# Altium PCB Cabinet_Device.PcbDoc (part 6 of 6)
Units mil, origin at the board's own origin, x right, y up, seen from the top; angles counter-clockwise.
Board outline 9999.43 x 4132.85 mil, 4 copper layers (Top Layer, Ground, Internal Plane 1, Bottom Layer), stack 30.634 mil thick; 517 components, 341 nets, 1478 pads, 1628 vias.
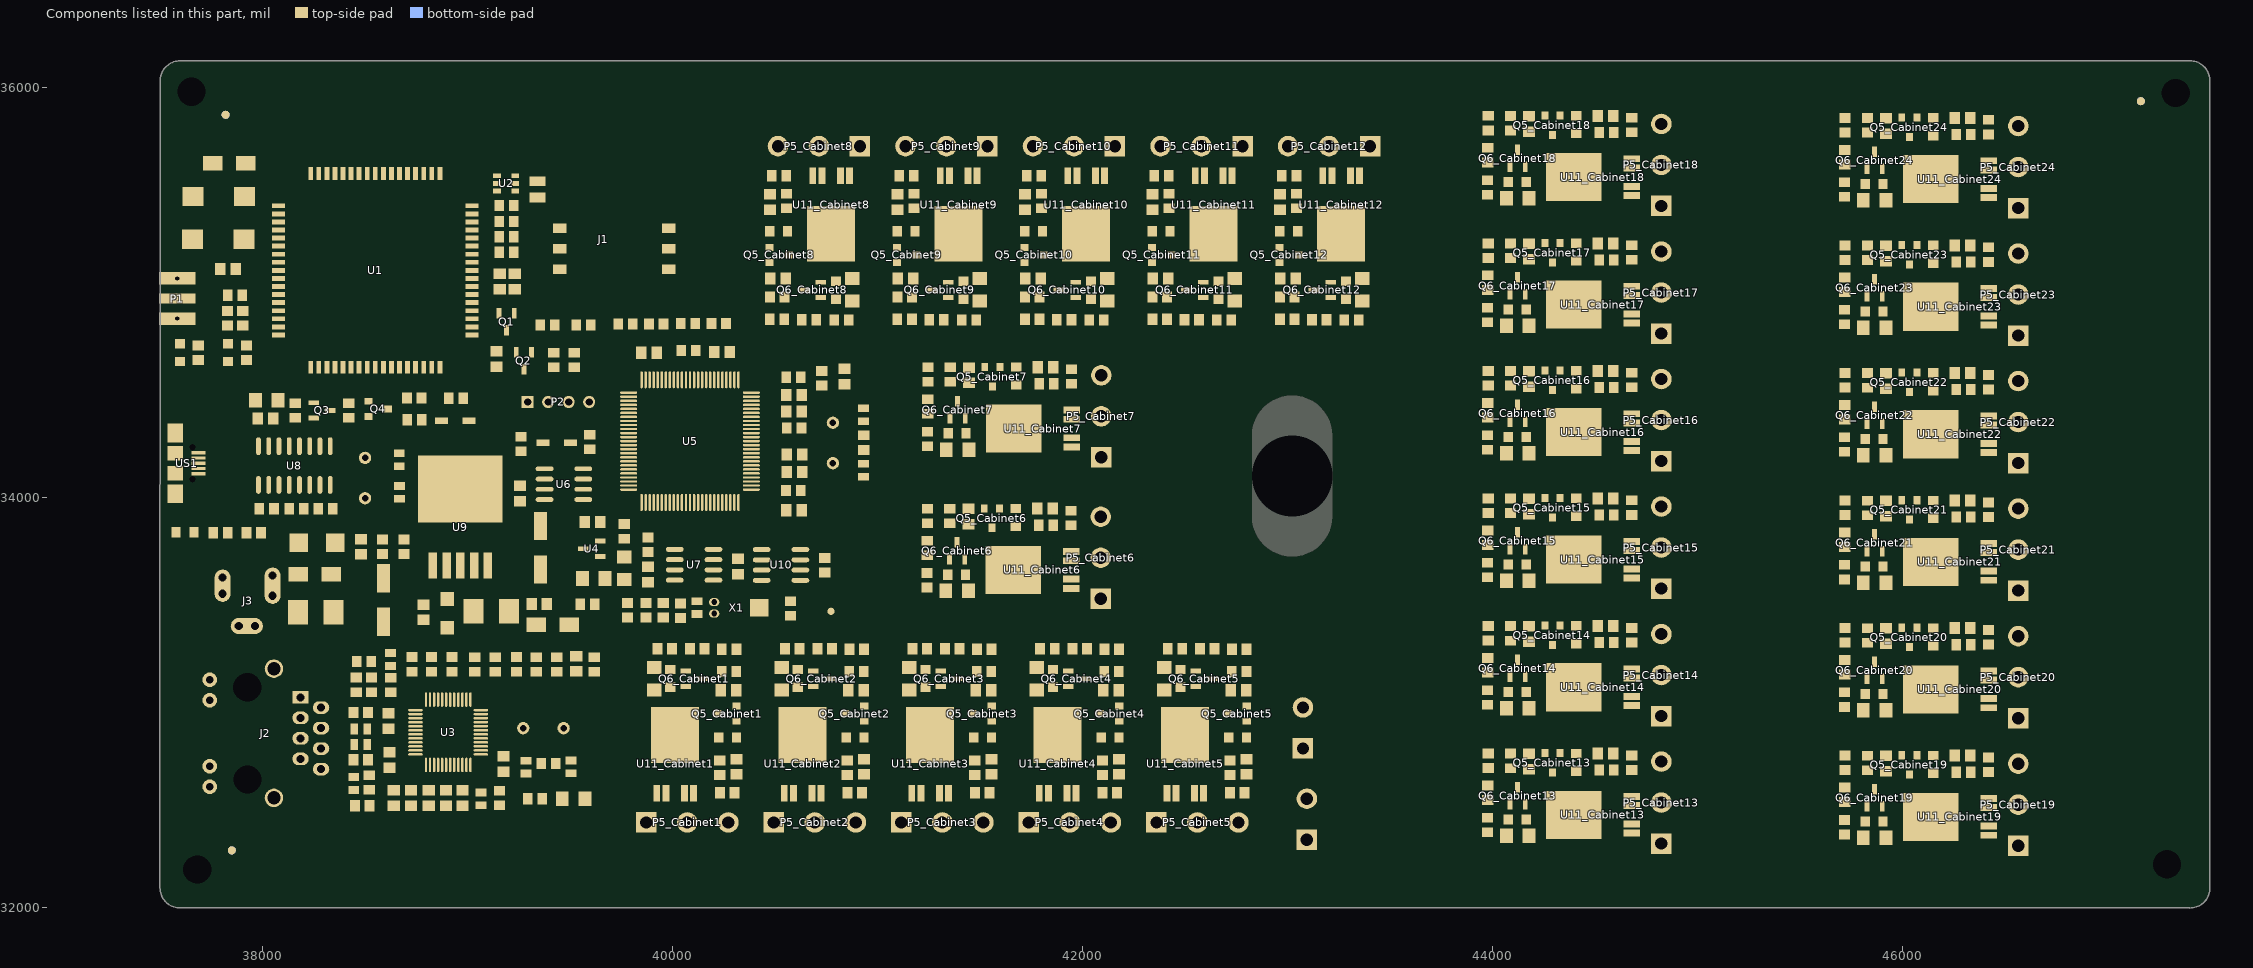
[diagram p8: the components of this part, seen from the top]

## Polygon pours and split planes (outlines as drawn) (continued)
VCC12V on Internal Plane 1 (split plane): 47378.91,32118.09 37619.67,32118.09 37619.86,33898.9 38210.8,33898.9 38210.8,33312.01 38045.4,33146.6 38044.29,33144.95 38043.9,33143 38043.9,32694 38044.29,32692.05 38045.4,32690.4 38312.4,32423.4 38314.05,32422.29 38316,32421.9 39736.57,32421.9 39738.52,32422.29 39740.17,32423.4 39741.28,32425.05 39741.67,32427 39741.67,33308.9 40184.9,33308.9 40184.9,33101.91 40184.44,33101.6 40183.34,33099.95 40182.95,33098 40183.34,33096.05 40184.44,33094.4 40186.1,33093.29 40186.75,33093.16 40188.05,33092.29 40190,33091.9 40191.95,33092.29 40192.87,33092.9 43390,33092.9 43391.95,33093.29 43393.6,33094.4 43394.71,33096.05 43395.1,33098 43395.1,33376 43394.71,33377.95 43393.6,33379.6 43391.95,33380.71 43390,33381.1 41451.11,33381.1 41434.1,33398.11 41434.1,34749.9 43389.89,34749.9 43393.4,34746.4 43395.05,34745.29 43397,34744.9 43398.95,34745.29 43400.6,34746.4 43401.71,34748.05 43402.1,34750 43402.1,35054.9 43401.71,35056.85 43401.31,35057.45 43401.71,35058.05 43402.1,35060 43401.71,35061.95 43400.6,35063.6 43398.95,35064.71 43397,35065.1 40398,35065.1 40396.05,35064.71 40394.4,35063.6 40379.2,35048.41 40379.2,36009.91 47378.91,36009.91

## Keep-outs
Keep-Out Layer:
  lines w10: 37499.57,32096.43 ccw(c37598,32096.43) 37598,31998 47400.57,31998 ; 37500,32096.43 37500,36031.57 cw(c37598.43,36031.57) 37598.43,36130 47400.57,36130 ; 47400.57,31997.57 ccw(c47400.57,32096) 47499,32096 47499,36032 ccw(c47400.57,36032) 47400.57,36130.43

## Other copper
Top Layer:
  rectangle net VDOOR: 43270,33149 43380,33244
  rectangle net VCC4V2: 39565,33335 39675,33430
  rectangle net VDD3V3: 39690,33440 39735,33530
  rectangle net VCC4V2: 37594,35577.59 37696,35695.59
  rectangle net VDD3V3: 39654,33924 39749,33974
  rectangle net AVDD: 39207,32493 39259,32581
  rectangle net VDD: 39627,33257 39731,33305
  region net NetP5_Cabinet12_2: 43292,35634 43181,35634 43181,35679 43191,35689 43243,35689
  region net NetP5_Cabinet11_2: 42650,35635 42539,35635 42539,35680 42549,35690 42601,35690
  region net NetP5_Cabinet10_2: 42032,35634 41921,35634 41921,35679 41931,35689 41983,35689
  region net NetP5_Cabinet9_2: 41417,35633 41306,35633 41306,35678 41316,35688 41368,35688
  region net NetP5_Cabinet8_2: 40791,35633 40680,35633 40680,35678 40690,35688 40742,35688
  region net NetP5_Cabinet6_2: 42008,33622 42008,33733 42053,33733 42063,33723 42063,33671
  region net NetP5_Cabinet7_2: 42011,34321 42011,34432 42056,34432 42066,34422 42066,34370
  region net NetP5_Cabinet19_2: 46483,32425.5 46483,32536.5 46528,32536.5 46538,32526.5 46538,32474.5
  region net NetP5_Cabinet20_2: 46483,33048 46483,33159 46528,33159 46538,33149 46538,33097
  region net NetP5_Cabinet21_2: 46483,33664 46483,33775 46528,33775 46538,33765 46538,33713
  region net NetP5_Cabinet22_2: 46483,34292 46483,34403 46528,34403 46538,34393 46538,34341
  region net NetP5_Cabinet23_2: 46483,34910 46483,35021 46528,35021 46538,35011 46538,34959
  region net NetP5_Cabinet24_2: 46485,35532 46485,35643 46530,35643 46540,35633 46540,35581
  region net NetP5_Cabinet18_2: 44742,35549 44742,35660 44787,35660 44797,35650 44797,35598
  region net NetP5_Cabinet17_2: 44742,34921 44742,35032 44787,35032 44797,35022 44797,34970
  region net NetP5_Cabinet16_2: 44742,34300 44742,34411 44787,34411 44797,34401 44797,34349
  region net NetP5_Cabinet15_2: 44743,33681 44743,33792 44788,33792 44798,33782 44798,33730
  region net NetP5_Cabinet14_2: 44744,33059 44744,33170 44789,33170 44799,33160 44799,33108
  region net NetP5_Cabinet13_2: 44743,32435 44743,32546 44788,32546 44798,32536 44798,32484
  region net NetP5_Cabinet5_2: 42487,32496 42598,32496 42598,32451 42588,32441 42536,32441
  region net NetP5_Cabinet4_2: 41866,32495 41977,32495 41977,32450 41967,32440 41915,32440
  region net NetP5_Cabinet3_2: 41240,32495 41351,32495 41351,32450 41341,32440 41289,32440
  region net NetP5_Cabinet2_2: 40626,32496 40737,32496 40737,32451 40727,32441 40675,32441
  region net NetP5_Cabinet1_2: 39998,32497 40109,32497 40109,32452 40099,32442 40047,32442
  region net VCC4V2: 37903,34326 37929,34326 37929,34228 37822,34228 37818,34232
Internal Plane 1 (plane layer: these items are gaps in the copper):
  lines w10: 37498,33904 38215.9,33904 38215.9,33309.9 38049,33143 38049,32694 38316,32427 39736.57,32427 39736.57,33314 ; 38221,33314 38790,33314 40468,33314 ; 39700,33314 39700,33422 39672,33450 39672,33746 39494,33924 39345,33924 39203,34066 39203,34559 39439,34795 40363,34795 ; 40188.05,33098 43390,33098 43390,33376 41449,33376 41429,33396 41429,34753 41427,34755 43392,34755 43397,34750 43397,35054.9 ; 40190,33097 40190,33313 ; 40304.43,32899.88 40318.43,32913.88 ; 40374.1,35028.89 40374.1,36123.1 40384,36133 ; 40475,33319 40547,33391 41097,33391 41104,33384 41104,34769 41102,34771 40399,34771 40359,34811 40359,35021 40398,35060 43397,35060 ; 44114,35982 44135,35961 ; 38369,32538 38369,33158 38694,33158 38804,33048 39052,32800 39258,32594 39305,32594 39319,32580 39319,32489 39208,32489 39166,32531 38376,32531 38369,32538

## Silkscreen, mask and mechanical layers (free items; w line width, h text height)
Top Overlay:
  lines w10: 43622,31991 43622,36134
Mechanical 1:
  lines w10: 37499.58,32095.95 ccw(c37598,32095.95) 37598,31997.52 47400.58,31997.52 ; 37500,32095.95 37500,36031.1 cw(c37598.43,36031.1) 37598.43,36129.52 47400.58,36129.52 ; 47400.58,31997.1 ccw(c47400.58,32095.52) 47499,32095.52 47499,36031.52 ccw(c47400.58,36031.52) 47400.58,36129.95
Drill Drawing:
  text ".legend" at 47877,31938 h60